# KiCad board SofleKeyboard.kicad_pcb
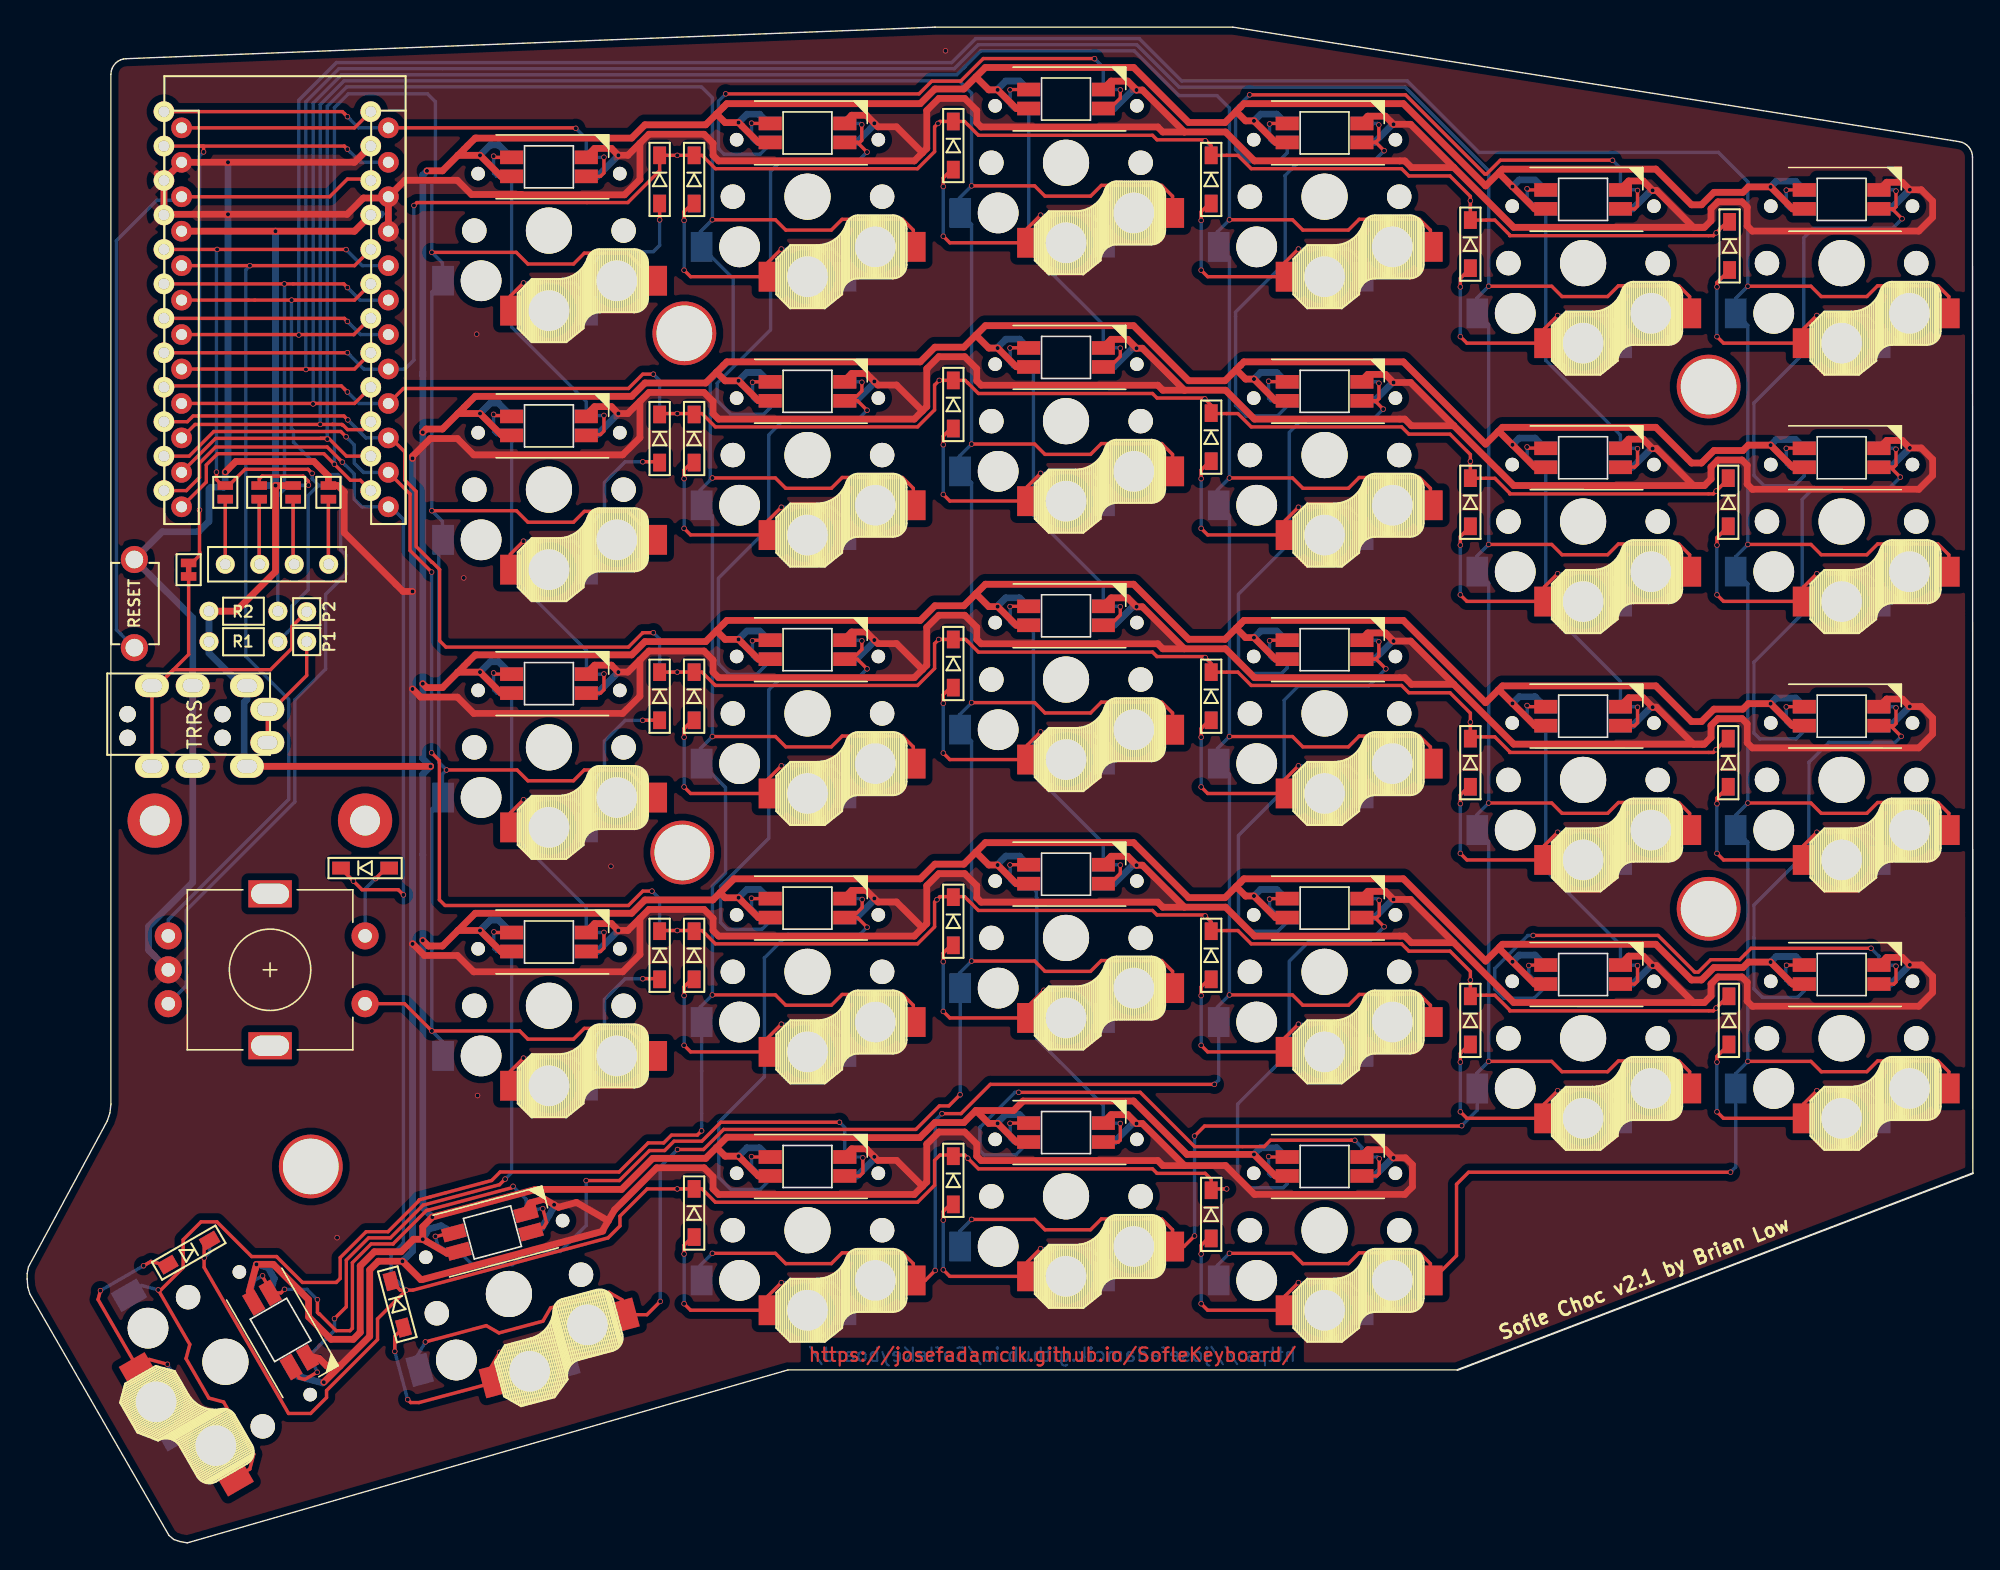
[diagram p0: board, top side]
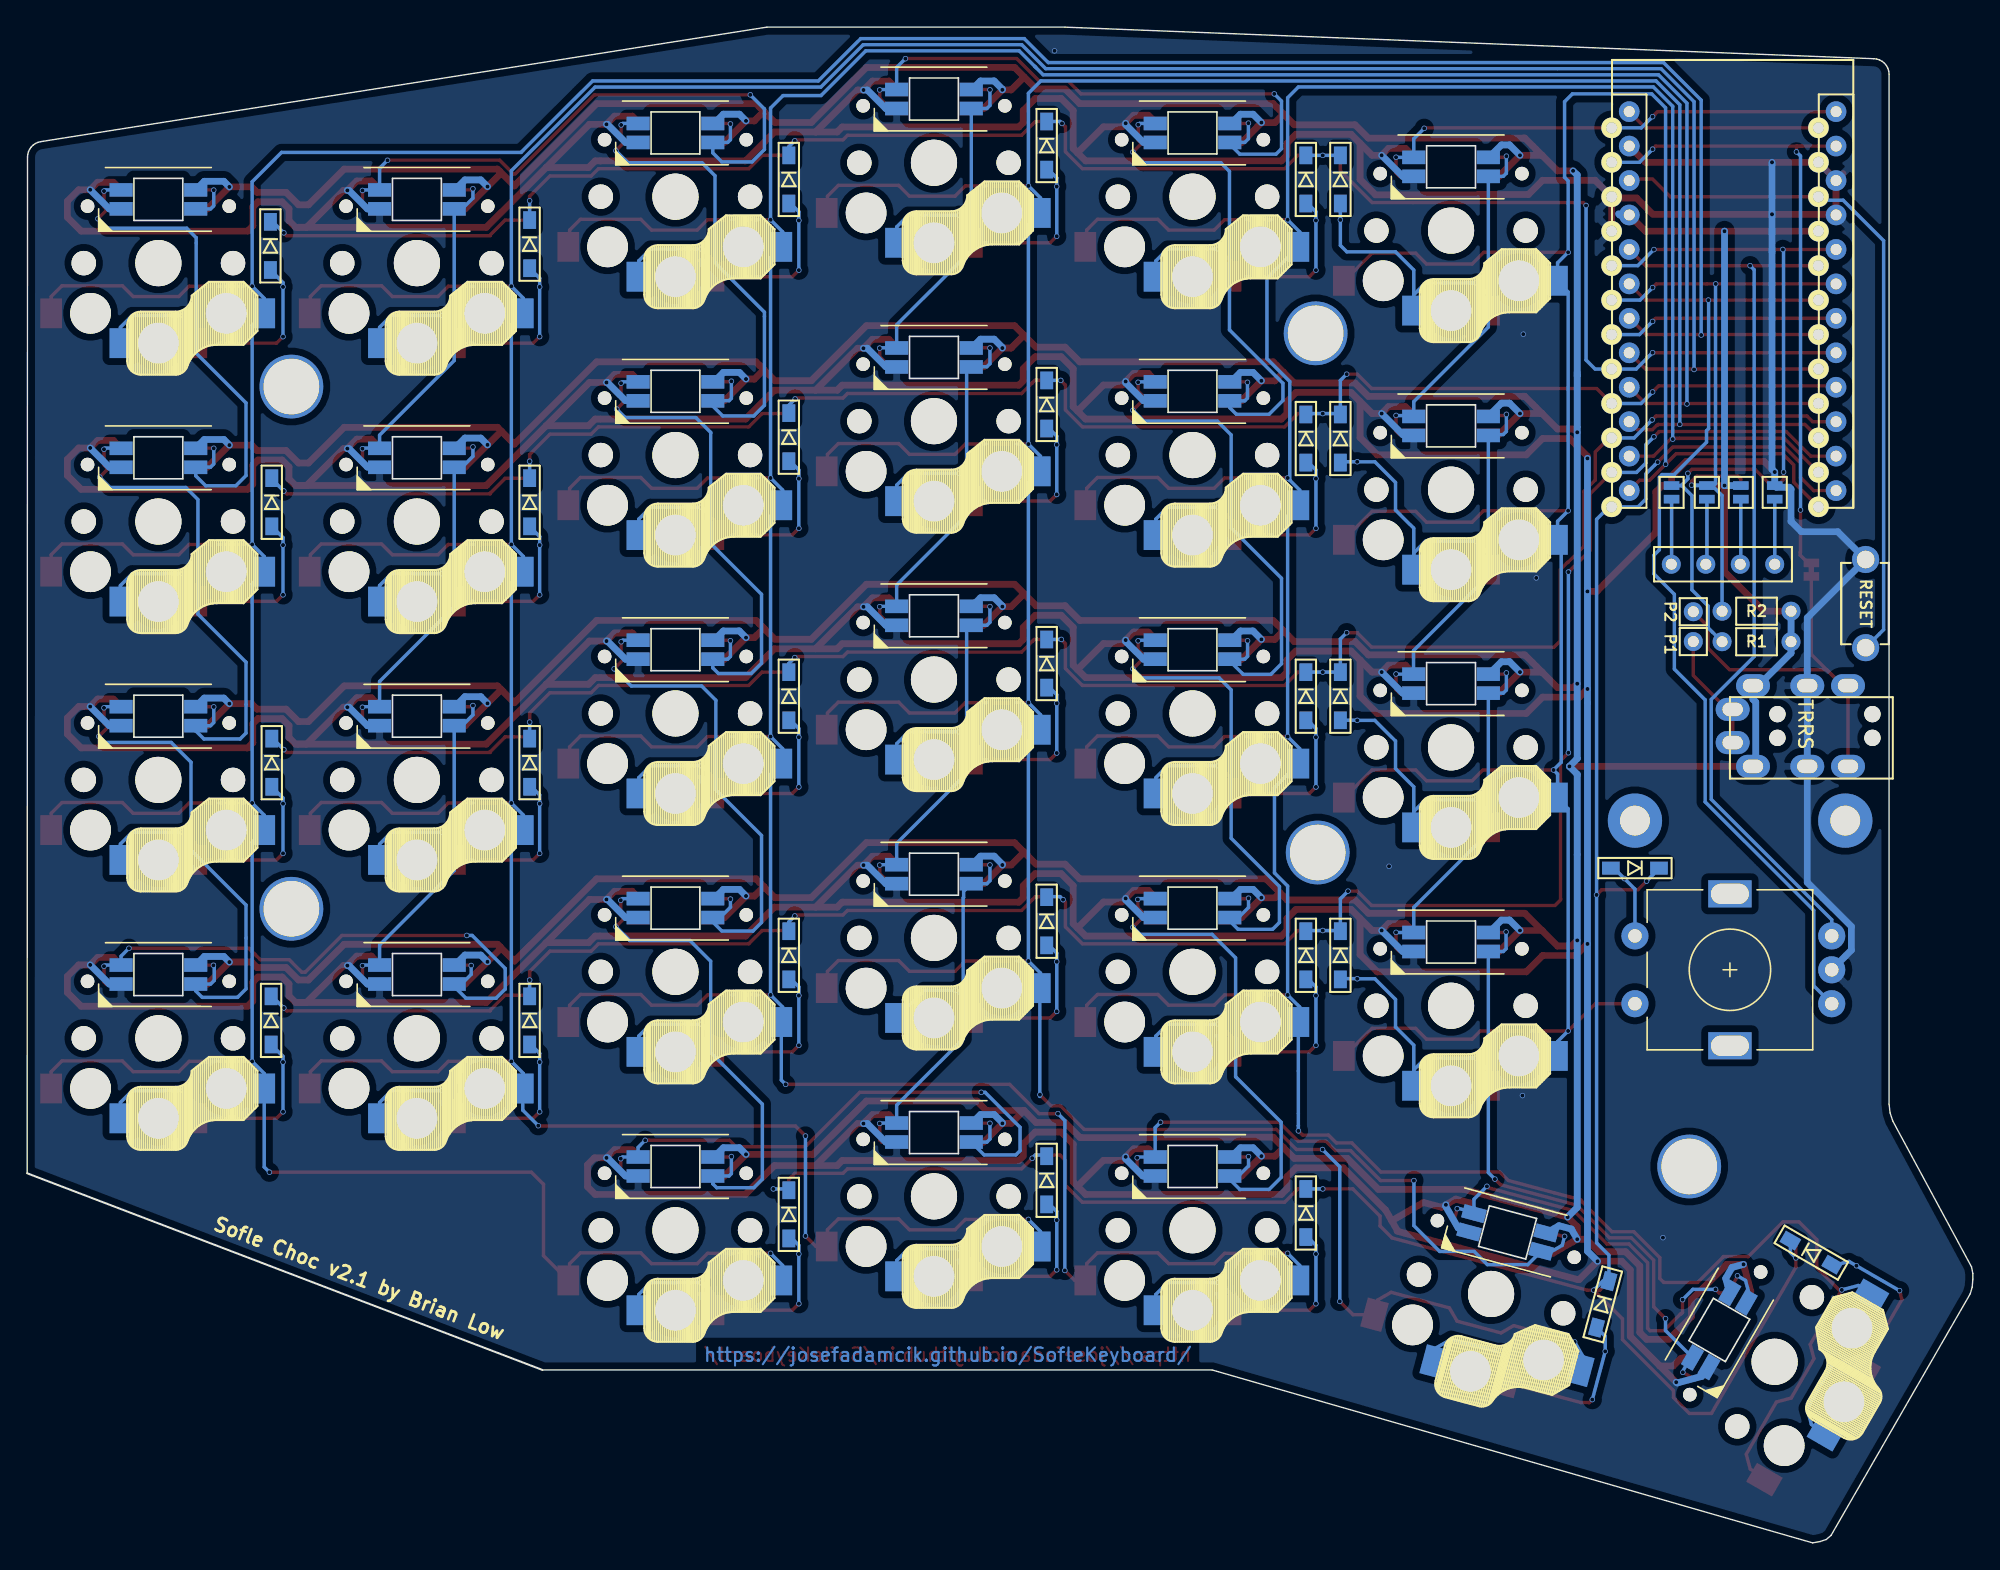
[diagram p1: board, bottom side, seen from below]

Outline 143.37 x 111.75 mm; copper layers: Top, Bottom. Coordinates in mm from the lower left corner of the outline.
Outline path: 0,19.85 0.1,20.35 5.9,31.1 6.1,31.7 6.18,32.35 6.17,108.27 6.2,108.5 6.26,108.72 6.37,108.92 6.51,109.09 6.68,109.23 6.88,109.33 7.09,109.4 7.33,109.42 66.9,111.75 88.85,111.75 142.38,103.3 142.58,103.25 142.76,103.17 142.93,103.05 143.07,102.91 143.18,102.75 143.27,102.57 143.32,102.38 143.34,102.17 143.37,27.25 105.4,12.75 56.05,12.75 11.8,0 11.25,0.1 10.8,0.25 10.45,0.55 0.2,18.35 0.05,18.85 0,19.45 0,19.85

## Placement (name value [footprint] x y rotation side)
D1  D  [crkbd-diode]  46.61 100.52 270 top
D2  D  [crkbd-diode]  49.15 100.52 270 top
D3  D  [crkbd-diode]  68.25 103.02 270 top
D4  D  [crkbd-diode]  87.25 100.52 270 top
D5  D  [crkbd-diode]  106.34 95.75 270 top
D6  D  [crkbd-diode]  125.44 95.62 270 top
D7  D  [crkbd-diode]  46.61 81.42 270 top
D8  D  [crkbd-diode]  49.15 81.42 270 top
D9  D  [crkbd-diode]  68.25 83.93 270 top
D10  D  [crkbd-diode]  87.25 81.52 270 top
D11  D  [crkbd-diode]  106.34 76.72 270 top
D12  D  [crkbd-diode]  125.34 76.72 270 top
D13  D  [crkbd-diode]  46.61 62.42 270 top
D14  D  [crkbd-diode]  49.15 62.42 270 top
D15  D  [crkbd-diode]  68.25 64.83 270 top
D16  D  [crkbd-diode]  87.25 62.42 270 top
D17  D  [crkbd-diode]  106.34 57.52 270 top
D18  D  [crkbd-diode]  125.34 57.52 270 top
D19  D  [crkbd-diode]  46.61 43.32 270 top
D20  D  [crkbd-diode]  49.15 43.32 270 top
D21  D  [crkbd-diode]  68.25 45.83 270 top
D22  D  [crkbd-diode]  87.25 43.32 270 top
D23  D  [crkbd-diode]  106.34 38.52 270 top
D24  D  [crkbd-diode]  125.4 38.52 270 top
D25  D  [crkbd-diode]  24.9 49.75 0 top
D26  D  [crkbd-diode]  11.91 21.4 210 top
D27  D  [crkbd-diode]  27.27 17.59 285 top
D28  D  [crkbd-diode]  49.15 24.32 270 top
D29  D  [crkbd-diode]  68.25 26.73 270 top
D30  D  [crkbd-diode]  87.25 24.22 270 top
J2  4PIN  [MJ-4PP-9]  5.9 61.1 90 top
J3  OLED  [OLED_4Pin]  14.6 72.15 0 top
JP1  Jumper_NO_Small  [Jumper]  22.2 77.45 90 top
JP2  Jumper_NO_Small  [Jumper]  19.6 77.45 90 top
JP3  Jumper_NO_Small  [Jumper]  17.1 77.45 90 top
JP4  Jumper_NO_Small  [Jumper]  14.6 77.45 90 top
JP5  Jumper_NO_Small  [Jumper]  22.2 77.45 90 bottom
JP6  Jumper_NO_Small  [Jumper]  19.6 77.45 90 bottom
JP7  Jumper_NO_Small  [Jumper]  17.1 77.45 90 bottom
JP8  Jumper_NO_Small  [Jumper]  14.6 77.45 90 bottom
P1  i2c_pin  [1pin_conn]  20.6 66.45 270 top
P2  i2c_pin  [1pin_conn]  20.6 68.65 270 top
R1  R  [RESISTOR_mini]  15.94 66.44 0 top
R2  R  [RESISTOR_mini]  15.94 68.69 0 top
RSW1  SW_RST  [TACT_SWITCH_TVBP06]  7.9 69.25 270 top
SW1  SW_PUSH_LED  [Choc_Hotswap_SK6812MiniE]  38.45 96.75 180 top
SW2  SW_PUSH_LED  [Choc_Hotswap_SK6812MiniE]  57.5 99.25 180 top
SW3  SW_PUSH_LED  [Choc_Hotswap_SK6812MiniE]  76.55 101.75 180 top
SW4  SW_PUSH_LED  [Choc_Hotswap_SK6812MiniE]  95.6 99.25 180 top
SW5  SW_PUSH_LED  [Choc_Hotswap_SK6812MiniE]  114.65 94.35 180 top
SW6  SW_PUSH_LED  [Choc_Hotswap_SK6812MiniE]  133.7 94.35 180 top
SW7  SW_PUSH_LED  [Choc_Hotswap_SK6812MiniE]  38.45 77.65 180 top
SW8  SW_PUSH_LED  [Choc_Hotswap_SK6812MiniE]  57.5 80.2 180 top
SW9  SW_PUSH_LED  [Choc_Hotswap_SK6812MiniE]  76.55 82.7 180 top
SW10  SW_PUSH_LED  [Choc_Hotswap_SK6812MiniE]  95.6 80.2 180 top
SW11  SW_PUSH_LED  [Choc_Hotswap_SK6812MiniE]  114.65 75.3 180 top
SW12  SW_PUSH_LED  [Choc_Hotswap_SK6812MiniE]  133.7 75.3 180 top
SW13  SW_PUSH_LED  [Choc_Hotswap_SK6812MiniE]  38.45 58.65 180 top
SW14  SW_PUSH_LED  [Choc_Hotswap_SK6812MiniE]  57.5 61.15 180 top
SW15  SW_PUSH_LED  [Choc_Hotswap_SK6812MiniE]  76.55 63.65 180 top
SW16  SW_PUSH_LED  [Choc_Hotswap_SK6812MiniE]  95.6 61.15 180 top
SW17  SW_PUSH_LED  [Choc_Hotswap_SK6812MiniE]  114.65 56.25 180 top
SW18  SW_PUSH_LED  [Choc_Hotswap_SK6812MiniE]  133.7 56.25 180 top
SW19  SW_PUSH_LED  [Choc_Hotswap_SK6812MiniE]  38.45 39.6 180 top
SW20  SW_PUSH_LED  [Choc_Hotswap_SK6812MiniE]  57.5 42.1 180 top
SW21  SW_PUSH_LED  [Choc_Hotswap_SK6812MiniE]  76.55 44.6 180 top
SW22  SW_PUSH_LED  [Choc_Hotswap_SK6812MiniE]  95.6 42.1 180 top
SW23  SW_PUSH_LED  [Choc_Hotswap_SK6812MiniE]  114.65 37.2 180 top
SW24  SW_PUSH_LED  [Choc_Hotswap_SK6812MiniE]  133.7 37.2 180 top
SW25  Rotary_Encoder_Switch  [RotaryEncoder_Alps_EC11E-Switch_Vertical_H20mm-keebio_modified]  17.9 42.25 0 top
SW26  SW_PUSH_LED  [Choc_Hotswap_SK6812MiniE]  14.61 13.35 120 top
SW27  SW_PUSH_LED  [Choc_Hotswap_SK6812MiniE]  35.5 18.35 195 top
SW28  SW_PUSH_LED  [Choc_Hotswap_SK6812MiniE]  57.5 23.05 180 top
SW29  SW_PUSH_LED  [Choc_Hotswap_SK6812MiniE]  76.55 25.55 180 top
SW30  SW_PUSH_LED  [Choc_Hotswap_SK6812MiniE]  95.6 23.05 180 top
TH1  HOLE  [M2_HOLE_PCB]  9.4 53.25 0 top
TH2  HOLE  [M2_HOLE_PCB]  24.9 53.25 0 top
TH3  HOLE  [HOLE_M2_TH#4]  48.4 89.1 0 top
TH4  HOLE  [HOLE_M2_TH#2]  124.12 84.97 0 top
TH5  HOLE  [HOLE_M2_TH#5]  48.3 50.82 0 top
TH6  HOLE  [HOLE_M2_TH#3]  124.08 46.72 0 top
TH7  HOLE  [HOLE_M2_TH]  20.9 27.75 90 top
U1  -  [ProMicro]  18.9 90.75 0 top
W1  jumper  [jumper_data]  11.9 71.75 270 top

## Library data of the parts
P2 = -: Field4: P1

## Footprints (pads in the part's own frame, mm; a bottom-side part is the same pattern mirrored in y, then rotated)
1pin_conn
  round 1.397 hole 0.813: 1(0,0)
Choc_Hotswap_SK6812MiniE
  round 1.8 hole 1.8 unplated: (-5.5,0) (5.5,0)
  round 1 hole 1 unplated: (-5.22,-4.2) (5.22,-4.2)
  round 3 hole 3 unplated: (-5,3.7) (0,5.9) (5,3.7)
  round 3.4 hole 3.4 unplated: (0,0)
  rect 1.7x1 smd: 1(2.75,-3.999) 2(2.75,-5.399) 3(-2.75,-5.399) 4(-2.75,-3.999)
  rect 1.7x1 smd far side: 1(2.75,-5.399) 2(2.75,-3.999) 3(-2.75,-3.999) 4(-2.75,-5.399)
  rect 1.6x2.2 smd far side: 5(-2.8,5.9) 6(7.8,3.7)
  rect 1.6x2.2 smd: 5(2.8,5.9) 6(-7.9,3.7)
crkbd-diode
  rect 1.3x0.95 smd: 1(-1.775,0) 2(1.775,0)
  rect 1.3x0.95 smd far side: 1(-1.775,0) 2(1.775,0)
HOLE_M2_TH
  round 4.7 hole 4.1: (0,0)
HOLE_M2_TH#2
  round 4.7 hole 4.1: (-0.225,0.275)
HOLE_M2_TH#3
  round 4.7 hole 4.1: (-0.175,0.025)
HOLE_M2_TH#4
  round 4.7 hole 4.1: (0.025,0.075)
HOLE_M2_TH#5
  round 4.7 hole 4.1: (-0.025,0.075)
Jumper
  rect 0.635x1.143 smd: 1(-0.5,0) 2(0.5,0)
jumper_data
  rect 0.635x1.143 smd: 1(-0.5,0) 2(0.5,0)
M2_HOLE_PCB
  round 4 hole 2.2: (0,0)
MJ-4PP-9
  round 1.2 hole 1.2 unplated: (-1.75,-1.5) (-1.75,-8.5) (0,-1.5) (0,-8.5)
  oval 1.7x2.5 hole 1x1.5: 1(-3.85,-10.3) 1(2.1,-10.3) 2(-3.85,-6.3) 2(2.1,-6.3) 3(-3.85,-3.3) 3(2.1,-3.3) 4(-2.1,-11.8) 4(0.35,-11.8)
OLED_4Pin
  round 1.397 hole 0.813: 1(0,0) 2(2.54,0) 3(5.08,0) 4(7.62,0)
ProMicro
  round 1.524 hole 0.813: 1(-8.82,14.77) 1(7.719,13.574) 2(-8.82,12.23) 2(7.719,11.034) 3(-8.82,9.69) 3(7.719,8.494) 4(-8.82,7.15) 4(7.719,5.954) 5(-8.82,4.61) 5(7.719,3.414) 6(-8.82,2.07) 6(7.719,0.874) 7(-8.82,-0.47) 7(7.719,-1.666) 8(-8.82,-3.01) 8(7.719,-4.206) 9(-8.82,-5.55) 9(7.719,-6.746) 10(-8.82,-8.09) 10(7.719,-9.286) 11(-8.82,-10.63) 11(7.719,-11.826) 12(-8.82,-13.17) 12(7.719,-14.366) 13(-7.521,-14.366) 13(6.42,-13.17) 14(-7.521,-11.826) 14(6.42,-10.63) 15(-7.521,-9.286) 15(6.42,-8.09) 16(-7.521,-6.746) 16(6.42,-5.55) 17(-7.521,-4.206) 17(6.42,-3.01) 18(-7.521,-1.666) 18(6.42,-0.47) 19(-7.521,0.874) 19(6.42,2.07) 20(-7.521,3.414) 20(6.42,4.61) 21(-7.521,5.954) 21(6.42,7.15) 22(-7.521,8.494) 22(6.42,9.69) 23(-7.521,11.034) 23(6.42,12.23) 24(-7.521,13.574) 24(6.42,14.77)
RESISTOR_mini
  round 1.397 hole 0.813: 1(-2.54,0) 2(2.54,0)
RotaryEncoder_Alps_EC11E-Switch_Vertical_H20mm-keebio_modified
  round 2 hole 1: A(-7.5,2.5) B(-7.5,-2.5) C(-7.5,0) S1(7,-2.5) S2(7,2.5)
  rect 3.2x2 hole 2.8x1.5: MP(0,5.6) MP(0,-5.6)
TACT_SWITCH_TVBP06
  round 2 hole 1.3: 1(-3.25,0) 2(3.25,0)

## Nets
GND: J2.2 JP1.2 JP8.2 RSW1.1 SW1.3 SW2.3 SW3.3 SW4.3 SW5.3 SW6.3 SW7.3 SW8.3 SW9.3 SW10.3 SW11.3 SW12.3 SW13.3 SW14.3 SW15.3 SW16.3 SW17.3 SW18.3 SW19.3 SW20.3 SW21.3 SW22.3 SW23.3 SW24.3 SW25.C SW26.3 SW27.3 SW28.3 SW29.3 SW30.3 U1.3 U1.4 U1.23
VCC: J2.1 JP2.2 JP7.2 R1.1 R2.1 SW1.1 SW2.1 SW3.1 SW4.1 SW5.1 SW6.1 SW7.1 SW8.1 SW9.1 SW10.1 SW11.1 SW12.1 SW13.1 SW14.1 SW15.1 SW16.1 SW17.1 SW18.1 SW19.1 SW20.1 SW21.1 SW22.1 SW23.1 SW24.1 SW26.1 SW27.1 SW28.1 SW29.1 SW30.1 U1.21
/i2c_c: J2.4 P1.1
/i2c_d: J2.3 P2.1 W1.2
col0: SW6.6 SW12.6 SW18.6 SW24.6 SW30.6 U1.18
col1: SW5.6 SW11.6 SW17.6 SW23.6 SW29.6 U1.17
col2: SW4.6 SW10.6 SW16.6 SW22.6 SW28.6 U1.16
col3: SW3.6 SW9.6 SW15.6 SW21.6 SW27.6 U1.15
col4: SW2.6 SW8.6 SW14.6 SW20.6 SW26.6 U1.14
DATA: U1.2 W1.1
ENCA: SW25.A U1.20
ENCB: SW25.B U1.19
LED: SW1.4 U1.1
RESET: RSW1.2 U1.22
row0: D1.1 D2.1 D3.1 D4.1 D5.1 D6.1 U1.8
row1: D7.1 D8.1 D9.1 D10.1 D11.1 D12.1 U1.9
row2: D13.1 D14.1 D15.1 D16.1 D17.1 D18.1 U1.10
row3: D19.1 D20.1 D21.1 D22.1 D23.1 D24.1 U1.11
row4: D25.1 D26.1 D27.1 D28.1 D29.1 D30.1 U1.12
SCL: JP3.2 JP6.2 R2.2 U1.6
SDA: JP4.2 JP5.2 R1.2 U1.5
SW25A: SW1.6 SW7.6 SW13.6 SW19.6 SW25.S1 U1.13
SW25B: D25.2 SW25.S2
Net-(D1-Pad2): D1.2 SW1.5
Net-(D2-Pad2): D2.2 SW2.5
Net-(D3-Pad2): D3.2 SW3.5
Net-(D4-Pad2): D4.2 SW4.5
Net-(D5-Pad2): D5.2 SW5.5
Net-(D6-Pad2): D6.2 SW6.5
Net-(D7-Pad2): D7.2 SW7.5
Net-(D8-Pad2): D8.2 SW8.5
Net-(D9-Pad2): D9.2 SW9.5
Net-(D10-Pad2): D10.2 SW10.5
Net-(D11-Pad2): D11.2 SW11.5
Net-(D12-Pad2): D12.2 SW12.5
Net-(D13-Pad2): D13.2 SW13.5
Net-(D14-Pad2): D14.2 SW14.5
Net-(D15-Pad2): D15.2 SW15.5
Net-(D16-Pad2): D16.2 SW16.5
Net-(D17-Pad2): D17.2 SW17.5
Net-(D18-Pad2): D18.2 SW18.5
Net-(D19-Pad2): D19.2 SW19.5
Net-(D20-Pad2): D20.2 SW20.5
Net-(D21-Pad2): D21.2 SW21.5
Net-(D22-Pad2): D22.2 SW22.5
Net-(D23-Pad2): D23.2 SW23.5
Net-(D24-Pad2): D24.2 SW24.5
Net-(D26-Pad2): D26.2 SW26.5
Net-(D27-Pad2): D27.2 SW27.5
Net-(D28-Pad2): D28.2 SW28.5
Net-(D29-Pad2): D29.2 SW29.5
Net-(D30-Pad2): D30.2 SW30.5
Net-(J3-Pad1): J3.1 JP4.1 JP8.1
Net-(J3-Pad2): J3.2 JP3.1 JP7.1
Net-(J3-Pad3): J3.3 JP2.1 JP6.1
Net-(J3-Pad4): J3.4 JP1.1 JP5.1
Net-(SW1-Pad2): SW1.2 SW7.4
Net-(SW2-Pad2): SW2.2 SW3.4
Net-(SW2-Pad4): SW2.4 SW8.2
Net-(SW3-Pad2): SW3.2 SW9.4
Net-(SW4-Pad2): SW4.2 SW5.4
Net-(SW6-Pad2): SW6.2
Net-(SW10-Pad2): SW4.4 SW10.2
Net-(SW10-Pad4): SW10.4 SW16.2
Net-(SW11-Pad2): SW11.2 SW17.4
Net-(SW11-Pad4): SW5.2 SW11.4
Net-(SW12-Pad2): SW6.4 SW12.2
Net-(SW12-Pad4): SW12.4 SW18.2
Net-(SW13-Pad2): SW13.2 SW19.4
Net-(SW13-Pad4): SW7.2 SW13.4
Net-(SW14-Pad2): SW8.4 SW14.2
Net-(SW14-Pad4): SW14.4 SW20.2
Net-(SW15-Pad2): SW15.2 SW21.4
Net-(SW15-Pad4): SW9.2 SW15.4
Net-(SW16-Pad4): SW16.4 SW22.2
Net-(SW17-Pad2): SW17.2 SW23.4
Net-(SW18-Pad4): SW18.4 SW24.2
Net-(SW19-Pad2): SW19.2 SW26.4
Net-(SW20-Pad4): SW20.4 SW28.2
Net-(SW21-Pad2): SW21.2 SW29.4
Net-(SW22-Pad4): SW22.4 SW30.2
Net-(SW23-Pad2): SW23.2 SW24.4
Net-(SW26-Pad2): SW26.2 SW27.4
Net-(SW27-Pad2): SW27.2 SW28.4
Net-(SW29-Pad2): SW29.2 SW30.4
Net-(U1-Pad7): U1.7
Net-(U1-Pad24): U1.24

Pads without a net: SW25 MP

## Via types
v1: diameter 0.4, hole 0.3, Top to Bottom, 347 vias

## Routing (per net, layer and track width the routed paths; a pad name or vN(x,y) marks a point on that pad's centre or on a via; arc(x,y) is an arc through that point)
GND: length 1090.4
  Top w0.5: 105.12,44.25 101.94,47.44 v1(100.68,47.44) 100.08,48.04 98.79,48.04 98.25,47.5 ; 105.12,44.25 102,44.25 101.51,44.74 90.44,44.74 88.31,46.87 85.27,46.87 ; 105.12,44.25 109.54,39.84 123.42,39.84 ; 105.12,63.3 101.94,66.49 v1(100.68,66.49) 100.08,67.09 98.79,67.09 98.25,66.55 ; 105.12,63.3 102,63.3 101.51,63.79 90.44,63.79 88.31,65.92 85.27,65.92 ; 105.12,63.3 109.54,58.89 123.42,58.89 ; 105.12,82.36 101.94,85.55 v1(100.68,85.55) 100.08,86.15 98.79,86.15 98.25,85.61 ; 105.12,82.36 102,82.36 101.51,82.85 90.44,82.85 88.31,84.98 85.27,84.98 ; 105.12,82.36 109.54,77.95 123.42,77.95 ; 41.15,45 41.81,45.66 43.06,45.66 v1(43.56,45.15) 44.26,45.15 45.15,46.04 ; 41.15,64.05 41.81,64.71 43.06,64.71 v1(43.56,64.2) 44.26,64.2 45.15,65.09 ; 41.15,83.11 41.81,83.77 43.06,83.77 v1(43.56,83.26) 44.26,83.26 45.15,84.15 ; SW24.3 137.01,43.16 138.17,43.16 v1(138.72,42.61) 139.57,42.61 140.4,41.77 140.4,40.58 139.39,39.56 127.12,39.56 126.74,39.94 126.74,41.34 126.36,41.72 124.58,41.72 124.08,41.21 124.08,40.32 123.59,39.84 123.42,39.84 ; SW18.3 137.01,62.21 138.17,62.21 v1(138.72,61.66) 139.57,61.66 140.4,60.82 140.4,59.63 139.39,58.61 127.12,58.61 126.74,58.99 126.74,60.39 126.36,60.77 124.58,60.77 124.08,60.26 124.08,59.37 123.59,58.89 123.42,58.89 ; 136.45,80.71 137.01,81.28 138.17,81.28 v1(138.72,80.72) 139.57,80.72 140.4,79.89 140.4,78.69 139.39,77.68 127.12,77.68 126.74,78.05 126.74,79.45 126.36,79.83 124.58,79.83 124.08,79.32 124.08,78.44 123.59,77.95 123.42,77.95 ; 85.27,46.87 83.68,46.87 83.31,47.24 70.3,47.24 69.97,47.56 69.97,48.45 69.08,49.34 67.18,49.34 66.29,48.45 66.29,45.66 65.97,45.34 ; 85.27,46.87 82.18,49.96 v1(81.75,49.96) 81.09,50.62 79.87,50.62 79.25,50 ; 85.27,65.92 83.68,65.92 83.31,66.29 70.3,66.29 69.97,66.61 69.97,67.5 69.08,68.39 67.18,68.39 66.29,67.5 66.29,64.71 65.97,64.39 ; 85.27,65.92 82.18,69.01 v1(81.75,69.01) 81.09,69.67 79.87,69.67 79.25,69.05 ; 85.27,84.98 83.68,84.98 83.31,85.35 70.3,85.35 69.97,85.67 69.97,86.56 69.08,87.45 67.18,87.45 66.29,86.56 66.29,83.77 65.97,83.45 ; 85.27,84.98 82.18,88.08 v1(81.75,88.08) 81.09,88.73 79.87,88.73 79.25,88.11 ; 45.15,46.04 45.81,46.7 49.88,46.7 50.54,46.04 50.54,45.15 50.95,44.74 65.37,44.74 65.97,45.34 ; 45.15,46.04 45.15,43.37 43.88,42.1 32.91,42.1 31.7,43.3 29.28,43.3 28.42,44.16 v1(28.4,44.16) ; 45.15,65.09 45.81,65.75 49.88,65.75 50.54,65.09 50.54,64.2 50.95,63.79 65.37,63.79 65.97,64.39 ; 45.15,65.09 45.15,62.42 43.88,61.15 32.91,61.15 31.7,62.35 29,62.35 v1(28.4,62.95) ; 45.15,84.15 45.81,84.81 49.88,84.81 50.54,84.15 50.54,83.26 50.95,82.85 65.37,82.85 65.97,83.45 ; 45.15,84.15 45.15,81.49 43.88,80.22 32.91,80.22 31.7,81.42 29.71,81.42 28.4,80.11 v1(28.4,79.96) ; 65.97,45.34 64.06,47.25 62.69,47.25 v1(62.43,47.51) 61.84,48.1 60.75,48.1 60.15,47.5 ; 65.97,64.39 64.06,66.3 62.69,66.3 v1(62.43,66.56) 61.84,67.15 60.75,67.15 60.15,66.55 ; 65.97,83.45 64.06,85.36 62.69,85.36 v1(62.43,85.63) 61.84,86.22 60.75,86.22 60.15,85.61 ; 123.42,39.84 122.78,39.84 120.06,42.56 v1(119.78,42.56) 119.08,43.26 118.01,43.26 117.35,42.6 ; 123.42,58.89 122.78,58.89 120.06,61.61 v1(119.78,61.61) 119.08,62.31 118.01,62.31 117.35,61.65 ; 123.42,77.95 122.78,77.95 120.06,80.68 v1(119.78,80.68) 119.08,81.37 118.01,81.37 117.35,80.71 ; 65.97,26.29 64.06,28.2 62.69,28.2 v1(62.43,28.46) 61.84,29.05 60.75,29.05 60.15,28.45 ; 65.97,26.29 65.37,25.69 50.95,25.69 50.54,26.1 50.54,26.99 49.88,27.65 46.38,27.65 43.28,24.55 42.82,23.75 ; 65.97,26.29 66.29,26.61 66.29,29.4 67.18,30.29 69.08,30.29 69.97,29.4 69.97,28.51 70.3,28.19 83.31,28.19 83.68,27.82 85.27,27.82 ; 85.27,27.82 82.18,30.91 v1(81.75,30.91) 81.09,31.57 79.87,31.57 79.25,30.95 ; 85.27,27.82 88.31,27.82 90.44,25.69 101.51,25.69 102.08,26.25 102.08,27.88 101.57,28.39 v1(100.68,28.39) 100.08,28.99 98.79,28.99 98.25,28.45 ; 36.63,24.33 37.06,25.06 38.11,25.34 v1(38.83,24.93) 39.15,24.74 40.48,25.1 42.82,23.75 ; 42.82,23.75 42.39,23.01 ; 20.71,13.81 21.53,13.59 22.08,13.04 23.06,13.04 ; 65.97,102.49 66.29,102.81 66.29,105.6 67.18,106.49 69.08,106.49 69.97,105.6 69.97,104.71 70.3,104.39 83.31,104.39 83.68,104.02 85.27,104.02 ; 65.97,102.49 64.06,104.4 62.69,104.4 v1(62.43,104.66) 61.84,105.25 60.75,105.25 60.15,104.65 ; 65.97,102.49 65.37,101.89 50.95,101.89 50.54,102.3 50.54,103.19 49.88,103.85 45.81,103.85 45.15,103.19 ; 9.57,100.95 U1.3 ; U1.3 U1.4 10.13,97.95 v1(14.8,97.95) 23.58,97.95 24.78,99.15 26.6,99.15 ; U1.3 10.08,100.49 U1.23 v1(14.8,101.78) 24.12,101.78 U1.23 ; v1(14.6,78.95) 15.37,79.72 21.13,79.72 22.2,78.65 JP1.2 22.9,77.95 23.36,77.48 23.36,74.48 27.7,70.14 v1(28.4,70.14) ; 85.27,104.02 88.31,104.02 90.44,101.89 101.51,101.89 102,101.4 105.12,101.4 ; 85.27,104.02 82.18,107.11 v1(81.75,107.11) 81.09,107.77 79.87,107.77 79.25,107.15 ; 41.15,102.15 41.81,102.81 43.06,102.81 v1(43.56,102.3) 44.26,102.3 45.15,103.19 ; v1(21.86,11.84) 23.06,13.04 ; 23.06,13.04 25.24,15.23 25.24,20.13 25.88,20.76 v1(27.66,20.76) 29.01,19.41 29.09,19.41 42.43,22.98 ; 105.12,101.4 101.94,104.59 v1(100.68,104.59) 100.08,105.19 98.79,105.19 98.25,104.65 ; 105.12,101.4 109.54,96.99 123.42,96.99 ; 123.42,96.99 122.78,96.99 120.06,99.71 v1(119.78,99.71) 119.08,100.41 118.01,100.41 117.35,99.75 ; 123.42,96.99 123.59,96.99 124.08,97.47 124.08,98.36 124.58,98.87 126.36,98.87 126.74,98.49 126.74,97.09 127.12,96.71 139.39,96.71 140.4,97.73 140.4,98.92 139.57,99.76 v1(138.72,99.76) 138.17,100.31 137.01,100.31 SW6.3 ; 45.15,103.19 45.15,100.52 44.02,99.39 36.44,99.39 36.42,99.41 32.74,99.41 31.7,100.45 27.83,100.45 U1.3 U1.4
  Bottom w0.5: 98.25,46.1 99.28,46.1 100.61,47.44 v1(100.68,47.44) ; 98.25,65.15 99.28,65.15 100.61,66.49 v1(100.68,66.49) ; 98.25,84.21 99.28,84.21 100.61,85.55 v1(100.68,85.55) ; v1(43.56,45.15) 42.01,43.6 41.15,43.6 ; v1(43.56,64.2) 42.01,62.65 41.15,62.65 ; v1(43.56,83.26) 42.01,81.71 41.15,81.71 ; v1(138.72,42.61) 137.31,41.2 SW24.3 ; v1(138.72,61.66) 137.31,60.25 SW18.3 ; v1(138.72,80.72) 137.31,79.31 136.45,79.31 ; v1(81.75,49.96) 81.46,49.96 80.1,48.6 79.25,48.6 ; v1(81.75,69.01) 81.46,69.01 80.1,67.65 79.25,67.65 ; v1(81.75,88.08) 81.46,88.08 80.1,86.71 79.25,86.71 ; 117.35,41.2 118.29,41.2 119.66,42.56 v1(119.78,42.56) ; 117.35,60.25 118.29,60.25 119.66,61.61 v1(119.78,61.61) ; 117.35,79.31 118.29,79.31 119.66,80.68 v1(119.78,80.68) ; 60.15,46.1 61.11,46.1 62.43,47.41 v1(62.43,47.51) ; 60.15,65.15 61.11,65.15 62.43,66.46 v1(62.43,66.56) ; 60.15,84.21 61.11,84.21 62.43,85.53 v1(62.43,85.63) ; v1(81.75,30.91) 81.46,30.91 80.1,29.55 79.25,29.55 ; 98.25,27.05 99.28,27.05 100.61,28.39 v1(100.68,28.39) ; v1(38.83,24.93) 38.86,24.83 37.93,23.22 37,22.97 ; v1(21.86,11.84) 21.77,11.79 19.98,12.27 19.5,13.11 ; J2.2 12.2,48.7 8.95,45.45 8.95,43.7 SW25.C ; J2.2 J2.2 12.2,68.2 RSW1.1 9.95,74.55 12.64,74.55 13.4,75.31 13.4,77.7 13.53,77.83 14.48,77.83 JP8.2 v1(14.6,78.95) 14.8,79.15 v1(14.8,97.95) v1(14.8,101.78) ; J2.2 11.44,57.25 ; v1(27.66,20.76) 28.4,21.51 v1(28.4,44.16) v1(28.4,62.95) 28.4,70.34 ; 60.25,27.05 61.16,27.05 62.43,28.32 v1(62.43,28.46) ; v1(81.75,107.11) 81.46,107.11 80.1,105.75 79.25,105.75 ; v1(119.78,99.71) 119.66,99.71 118.29,98.35 117.35,98.35 ; 28.4,70.34 v1(28.4,70.14) ; 28.4,70.34 v1(28.4,79.96) ; 41.15,100.75 42.01,100.75 v1(43.56,102.3) ; v1(62.43,104.66) 62.43,104.56 61.11,103.25 60.15,103.25 ; SW6.3 137.31,98.35 v1(138.72,99.76) ; 98.25,103.25 99.28,103.25 100.61,104.59 v1(100.68,104.59)
  vias: v1(22.84,22.5) v1(32.17,71.14) v1(33.12,89.11) v1(33.19,32.98) v1(43.02,49.88) v1(67.67,110)
VCC: length 889.9
  Top w0.25: 18.32,77.95 18.32,77.93
  Top w0.5: 50.8,67.25 51.43,66.61 v1(52.42,66.61) 53.88,65.15 54.65,65.15 ; 50.8,67.25 51.56,68.01 65.81,68.01 66.89,69.09 69.02,69.09 69.91,69.98 ; 50.8,67.25 50,66.45 45.53,66.45 44.54,65.47 33.02,65.47 31.73,64.18 ; 50.8,86.31 51.43,85.67 v1(52.42,85.67) 53.88,84.21 54.65,84.21 ; 50.8,86.31 51.56,87.07 65.81,87.07 66.89,88.15 69.02,88.15 69.91,89.04 ; 50.8,86.31 50,85.51 45.53,85.51 44.54,84.53 33.02,84.53 31.73,83.25 ; 54.65,46.1 53.88,46.1 v1(52.42,47.56) 51.43,47.56 51.06,47.93 ; 73.75,48.6 72.89,48.6 v1(71.51,49.98) 70.86,49.98 69.91,50.93 ; 73.75,67.65 72.89,67.65 v1(71.51,69.03) 70.86,69.03 69.91,69.98 ; 73.75,86.71 72.89,86.71 v1(71.51,88.09) 70.86,88.09 69.91,89.04 ; 92.75,46.1 91.99,46.1 v1(90.4,47.69) 89.78,47.69 89.09,48.39 ; 92.75,65.15 91.99,65.15 v1(90.4,66.74) 89.78,66.74 89.09,67.44 ; 92.75,84.21 91.99,84.21 v1(90.4,85.8) 89.78,85.8 89.09,86.5 ; 111.85,41.2 111.09,41.2 v1(109.45,42.84) 108.52,43.77 108.52,43.94 ; 111.85,60.25 111.09,60.25 v1(109.45,61.89) 108.47,62.87 108.39,62.87 ; 111.85,79.31 111.09,79.31 v1(109.45,80.95) 108.48,81.92 108.39,81.92 ; SW24.1 130.09,41.2 v1(128.47,42.82) 126.83,42.82 126.43,42.42 124.29,42.42 123.37,41.5 122.64,41.5 120.01,44.13 108.71,44.13 108.52,43.94 ; SW18.1 130.09,60.25 v1(128.47,61.87) 126.83,61.87 126.43,61.47 124.29,61.47 123.37,60.55 122.64,60.55 120.01,63.18 108.71,63.18 108.39,62.87 ; 130.95,79.31 130.09,79.31 v1(128.47,80.93) 126.83,80.93 126.43,80.53 124.29,80.53 123.37,79.61 122.64,79.61 120.01,82.25 108.71,82.25 108.39,81.92 ; 89.4,48.68 89.4,48.7 ; 89.4,48.7 89.09,48.39 ; 89.4,48.7 89.66,48.96 101.41,48.96 107.47,42.89 108.52,43.94 ; 89.4,67.73 89.4,67.75 ; 89.4,67.75 89.09,67.44 ; 89.4,67.75 89.66,68.01 101.41,68.01 107.47,61.94 108.39,62.87 ; 89.4,86.8 89.4,86.82 ; 89.4,86.82 89.09,86.5 ; 89.4,86.82 89.66,87.07 101.41,87.07 107.47,81.01 108.39,81.92 ; 69.91,50.93 70.61,51.62 81.53,51.62 85.59,47.57 88.27,47.57 89.09,48.39 ; 69.91,50.93 69.02,50.04 66.89,50.04 65.81,48.96 52.09,48.96 51.06,47.93 ; 69.91,69.98 70.61,70.67 81.53,70.67 85.59,66.62 88.27,66.62 89.09,67.44 ; 69.91,89.04 70.61,89.74 81.53,89.74 85.59,85.68 88.27,85.68 89.09,86.5 ; 34.94,43.6 SW19.1 34.92,43.6 v1(33.37,45.15) 31.75,45.15 31.73,45.13 ; 34.94,62.65 SW13.1 34.92,62.65 v1(33.37,64.2) 31.75,64.2 31.73,64.18 ; 34.94,81.71 35.7,81.71 34.92,81.71 v1(33.37,83.26) 31.75,83.26 31.73,83.25 ; 31.73,45.13 30.6,44 29.57,44 v1(29.15,44.42) ; 31.73,45.13 33.02,46.42 44.54,46.42 45.53,47.4 50.53,47.4 51.06,47.93 ; 31.73,64.18 30.6,63.06 29.44,63.06 v1(29.15,63.34) ; 31.73,83.25 30.6,82.12 29.39,82.12 v1(29.15,81.88) ; 73.75,29.55 72.89,29.55 v1(71.51,30.93) 70.86,30.93 69.91,31.88 ; 92.75,27.05 91.99,27.05 v1(90.4,28.64) 85.47,28.64 81.53,32.58 73.39,32.58 72.69,31.88 69.91,31.88 ; 69.91,31.88 69.02,30.99 66.89,30.99 65.78,29.88 60.21,29.88 60.18,29.91 51.56,29.91 50.8,29.15 ; 50.8,29.15 50,28.35 46.09,28.35 43.8,26.06 37.47,26.06 v1(29.86,24.02) 29.15,23.31 v1(29.15,22.38) ; 50.8,29.15 51.43,28.51 v1(52.42,28.51) 53.88,27.05 54.65,27.05 ; 31.68,21.55 30.94,21.35 v1(29.15,22.38) ; v1(29.15,22.38) 28.48,22.38 27.56,21.46 25.59,21.46 24.54,20.42 24.54,15.52 24.03,15.01 22.39,15.01 20.74,16.66 20.74,17.93 18.14,20.53 v1(16.9,20.53) 16.36,18.54 16.75,17.87 ; SW6.1 130.09,98.35 v1(128.47,99.97) 126.83,99.97 126.43,99.57 124.29,99.57 123.37,98.65 122.64,98.65 120.01,101.28 108.71,101.28 108.52,101.09 ; v1(18.3,77.95) JP2.2 ; v1(18.3,77.95) 18.3,71.61 15.38,68.69 R2.1 ; v1(18.3,77.95) 18.4,77.85 ; 108.52,101.09 107.47,100.04 101.41,106.11 89.66,106.11 89.4,105.85 ; 108.52,101.09 108.52,100.92 v1(109.45,99.99) 111.09,98.35 111.85,98.35 ; 73.75,105.75 72.89,105.75 v1(71.51,107.13) 70.86,107.13 69.91,108.08 ; 34.94,100.75 SW1.1 34.92,100.75 v1(33.37,102.3) 31.75,102.3 31.73,102.28 ; 92.75,103.25 91.99,103.25 v1(90.4,104.84) 89.78,104.84 89.09,105.54 ; 89.09,105.54 88.27,104.72 85.59,104.72 81.53,108.78 70.61,108.78 69.91,108.08 ; 89.09,105.54 89.4,105.85 ; 54.65,103.25 53.88,103.25 v1(52.42,104.71) 51.43,104.71 50.8,105.35 ; 69.91,108.08 69.02,107.19 66.89,107.19 65.81,106.11 51.56,106.11 50.8,105.35 ; 16,57.45 J2.1 29.73,57.25 v1(29.73,57.25) ; 50.8,105.35 50,104.55 45.53,104.55 44.54,103.57 33.02,103.57 31.73,102.28 ; 89.4,105.85 89.4,105.83 ; 11.32,96.65 U1.21 v1(18.3,96.7) 24.12,96.7 U1.21 ; 31.73,102.28 30.6,101.16 v1(29.46,101.16)